# Altium PCB Controller_PCB.PcbDoc (part 3 of 3)
Units mm, origin at the board's own origin, x right, y up, seen from the top; angles counter-clockwise.
Board outline 200 x 105 mm, 2 copper layers (Top Layer, Bottom Layer), stack 1.57 mm thick; 199 components, 174 nets, 839 pads, 274 vias.
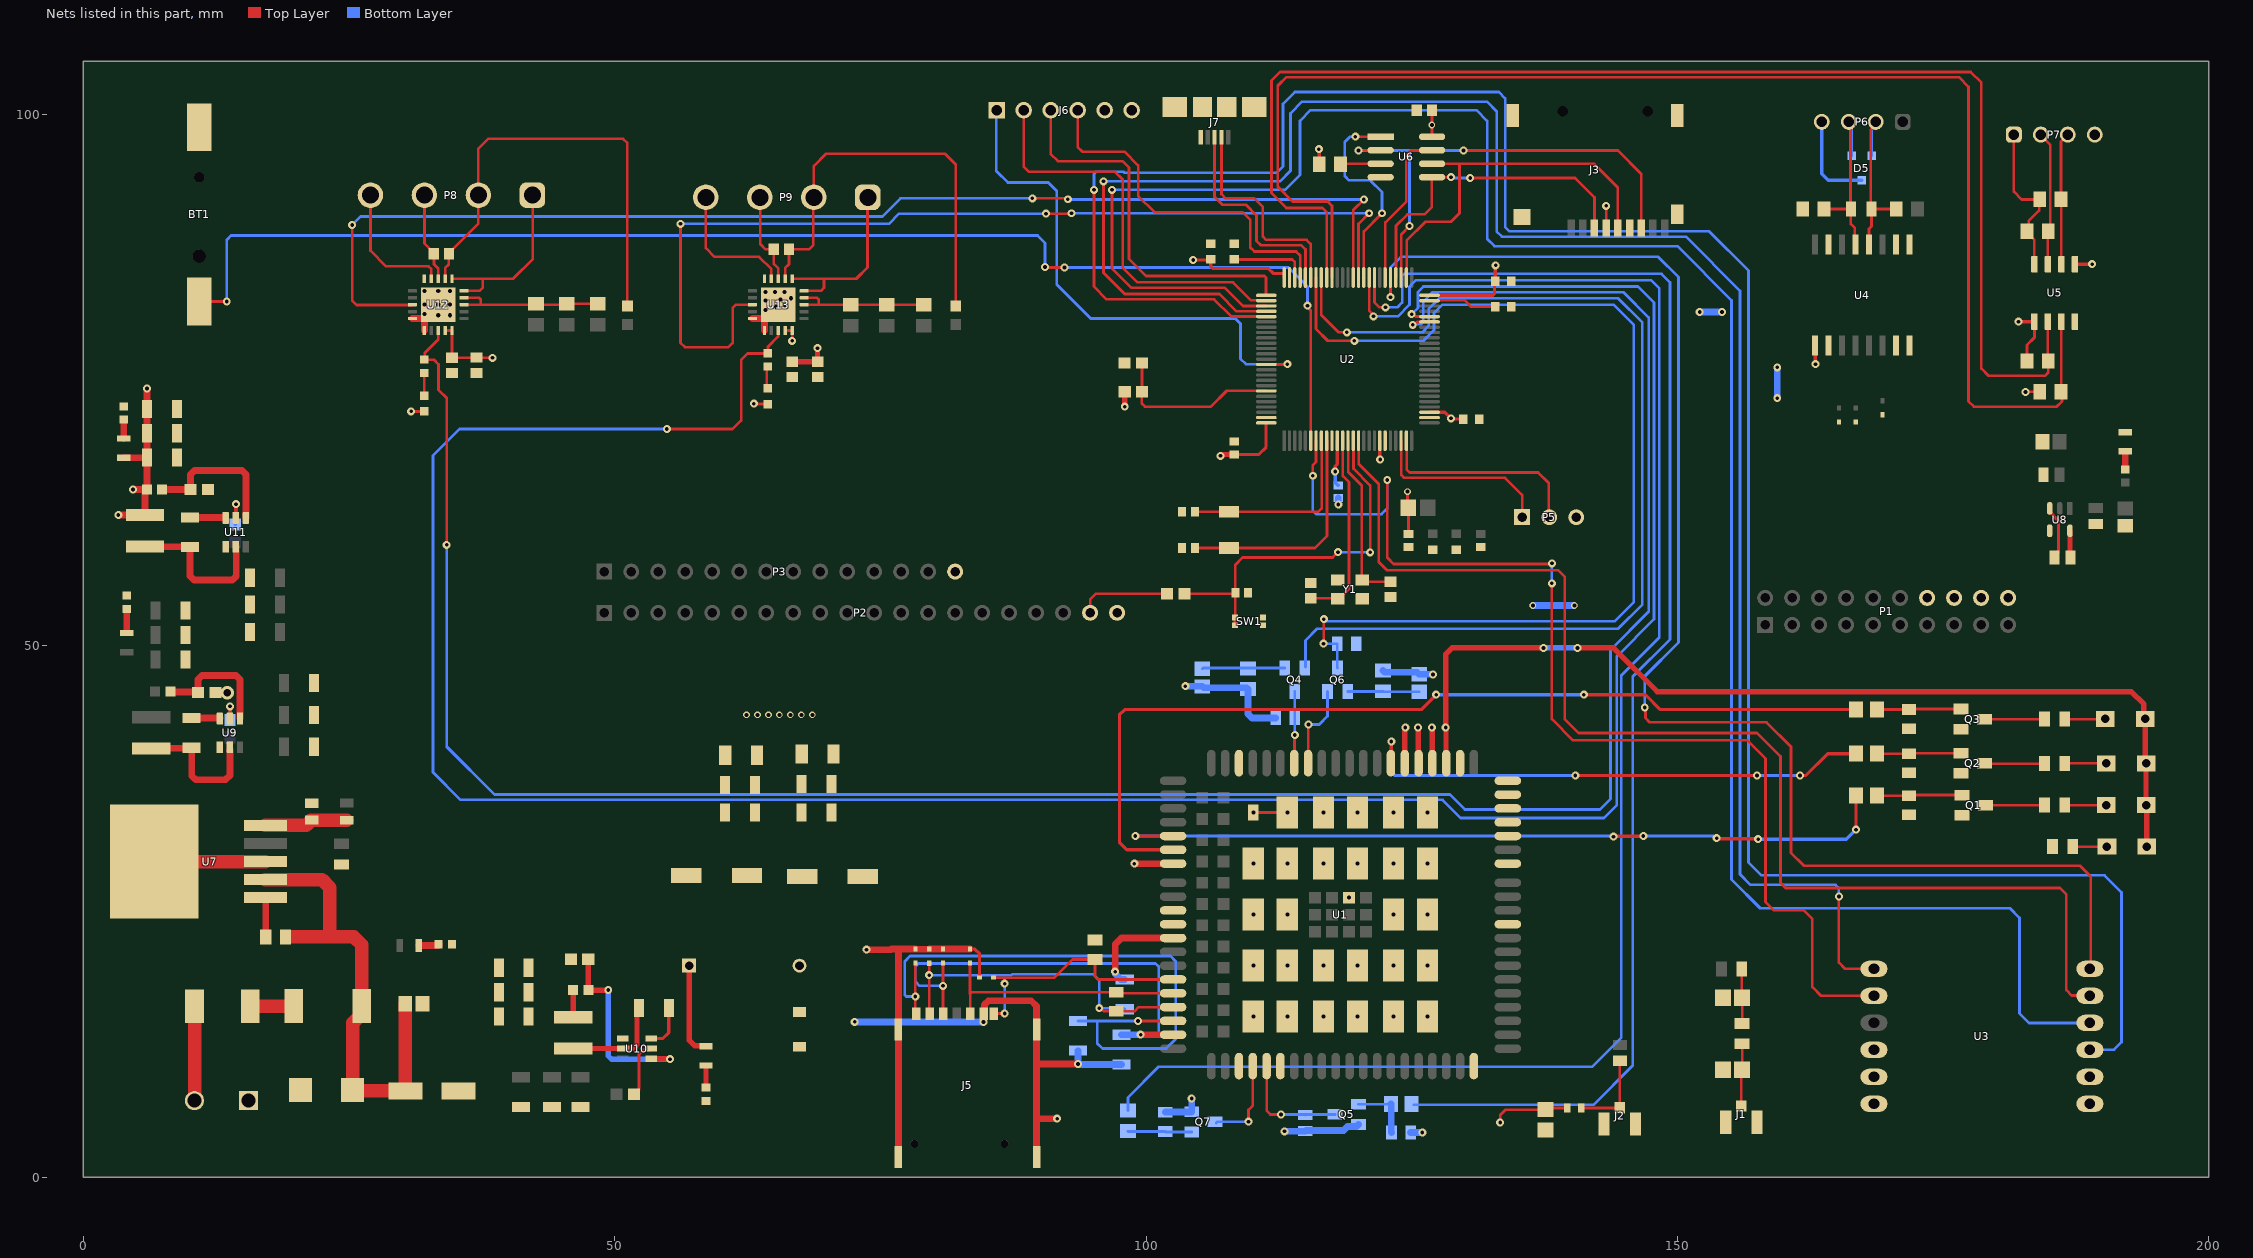
[diagram p3: the nets of this part, all layers, seen from the top]

## Via types
v1: diameter 0.75, hole 0.35, Top Layer to Bottom Layer, 205 vias
v2: diameter 0.635, hole 0.381, Top Layer to Bottom Layer, 59 vias
v3: diameter 1.5, hole 0.8, Top Layer to Bottom Layer, 8 vias
v4: diameter 1.27, hole 0.711, Top Layer to Bottom Layer, 2 vias

## Nets (pads, with @x,y where several pads share a name; then routed paths per layer and width w, separated by ;. In a path a pad name is that pad's centre, name@x,y a point inside that pad or via, vN(x,y) a via of type N, cw(c..) or ccw(c..) an arc to the next point about the centre after c; other vN are vias at no path point) (continued)
E_CS: U2.15 U3.5 | length 116
  Top Layer w0.254: U2.15@120.025,69.325 120.025,67.081 121.9,65.206 121.9,57.9 122.7,57.1 138.8,57.1 139.4,56.5 139.4,43.1 140.7,41.8 157.5,41.8 159.7,39.6 159.7,27.7 160.2,27.2 186,27.2 186.6,26.6 186.6,17.6 187.1,17.1 188.6,17.1 U3.5@188.7,17
E_INT: U2.55 U3.6 | length 138.5
  Top Layer w0.254: v1(123,82.8) U2.55@123,84.651 ; v1(146.931,44.2) 147,44.131 147,43.2 147.4,42.8 158.4,42.8 160.7,40.5 160.7,30.5 161.9,29.3 187.9,29.3 188.9,28.3 U3.6@188.9,19.5
  Bottom Layer w0.254: v1(123,82.8) 123,85.6 124,86.6 148.2,86.6 150.1,84.7 150.1,50.3 146.931,47.131 v1(146.931,44.2)
E_MISO: U2.79 U3.7 | length 180.9
  Top Layer w0.254: v1(96,93.7) 96,85.1 98,83.1 106.9,83.1 108.525,81.475 U2.79@111.325,81.475 ; v1(165.2,26.4) 165.2,20.2 165.8,19.6 U3.7@168.5,19.6
  Bottom Layer w0.254: v1(96,93.7) 112.6,93.7 113.6,94.7 113.6,100.1 114.7,101.2 132.1,101.2 133,100.3 133,89 133.5,88.5 150.8,88.5 155.9,83.4 155.9,28.5 156.9,27.5 164.9,27.5 165.2,27.2 v1(165.2,26.4)
E_MOSI: U2.80 U3.3 | length 219.7
  Top Layer w0.254: v1(95.1,92.9) 95.1,83.8 96.3,82.6 106.4,82.6 108.025,80.975 U2.80@111.325,80.975
  Bottom Layer w0.254: v1(95.1,92.9) 95.1,94.4 95.3,94.6 97.9,94.6 98,94.5 112.3,94.5 112.9,95.1 112.9,101 114,102.1 133.2,102.1 133.8,101.5 133.8,89.4 134.2,89 153,89 156.7,85.3 156.7,29.6 157.9,28.4 190.2,28.4 191.8,26.8 191.8,12.7 191.1,12 U3.3@188.8,12
E_RST: U2.7 U3.8 | length 107.3
  Top Layer w0.254: v1(115.7,66) 115.7,67 116,67.3 U2.7@116,69.3 ; v1(122.7,65.6) 122.7,58.3 123.3,57.7 138.146,57.7 v1(138.2,57.754) ; v1(138.187,55.875) 138.187,43.1 140.187,41.1 156.6,41.1 158.3,39.4 158.3,25.9 159.1,25.1 161.9,25.1 162.7,24.3 162.7,17.9 163.54,17.06 U3.8@168.5,17.06
  Bottom Layer w0.254: v1(115.7,66) 115.7,62.7 116.019,62.381 122.181,62.381 122.7,62.9 v1(122.7,65.6) ; v1(138.187,55.875) 138.187,57.741 v1(138.2,57.754)
E_SCLK: U2.78 U3.4 | length 200.8
  Top Layer w0.254: v1(96.8,92.9) 96.8,85.5 98.6,83.7 107.4,83.7 109.125,81.975 U2.78@111.325,81.975
  Bottom Layer w0.254: v1(96.8,92.9) 113.1,92.9 114.5,94.3 114.5,99.4 115.5,100.4 131.1,100.4 132.1,99.4 132.1,88.3 132.8,87.6 150,87.6 155.1,82.5 155.1,28 157.8,25.3 181.3,25.3 182.2,24.4 182.2,15.4 183.1,14.5 U3.4@188.8,14.5
"External_I/O Supply": P7.1 R21.2 R22.2 U5.8 | length 15
  Top Layer w0.254: P7.1@181.66,98.1 181.66,92.74 182.4,92 R22.2@184.1,92 184.043,91.943 184.043,90.943 183.057,89.957 183.057,89.157 R21.2@182.9,89 182.9,88.875 183.595,88.18 U5.8@183.595,85.9
F_CS: U2.60 U6.1 | length 19.7
  Top Layer w0.254: v1(119.7,97.9) 119.702,97.902 122.098,97.902 U6.1@122.1,97.9 ; U2.60@120.525,84.675 120.5,84.7 120.5,89 v1(122.2,90.7)
  Bottom Layer w0.254: v1(119.7,97.9) 119.2,97.9 118.7,97.4 118.7,94.2 119.1,93.8 121.1,93.8 122.2,92.7 v1(122.2,90.7)
F_MISO: J3.7 U2.53 U6.2 | length 47
  Top Layer w0.254: v1(120,96.6) 120.017,96.618 122.082,96.618 U6.2@122.1,96.6 ; U2.53@124.025,84.675 124.025,88.725 v1(124.8,89.5) ; v1(129.886,96.606) 144.394,96.606 146.6,94.4 J3.7@146.6,89.3
  Bottom Layer w0.254: v1(120,96.6) 124.8,96.6 ; v1(124.8,89.5) 124.8,96.6 ; v1@129.88,96.6 124.8,96.6
F_MOSI: J3.3 U2.54 U6.5 | length 30.7
  Top Layer w0.254: U2.54@123.525,84.675 123.525,89.525 124.6,90.6 126.2,90.6 126.9,91.3 126.9,94.1 126.902,94.098 128.697,94.098 v1(128.7,94.1) ; v1(130.506,94.017) 140.383,94.017 142.2,92.2 J3.3@142.2,89.3
  Bottom Layer w0.254: v1(128.7,94.1) 128.783,94.017 v1(130.506,94.017)
F_RESET: U2.56 U6.7 | length 14.8
  Top Layer w0.254: U2.56@122.525,84.675 122.525,89.825 124.5,91.8 124.5,96.2 124.9,96.6 U6.7@126.8,96.6
F_SCLK: J3.5 U2.52 U6.6 | length 36.2
  Top Layer w0.254: U2.52@124.525,84.675 124.525,88.125 126.3,89.9 128.7,89.9 129.5,90.7 129.5,95.3 129.435,95.365 ; U6.6@127.135,95.365 129.5,95.365 142.135,95.365 144.4,93.1 J3.5@144.4,89.3
FORCE+0: P8.1 U12.5 U12.6 | length 17
  Top Layer w0.254: U12.6@34.7,84.535 40.435,84.535 42.3,86.4 P8.1@42.3,92.3 ; U12.5@35.835,83.4 37.3,83.4 37.6,83.7 37.6,84.5
FORCE+1: P9.1 U13.5 U13.6 | length 16.9
  Top Layer w0.254: U13.6@66.7,84.535 72.735,84.535 73.8,85.6 P9.1@73.8,92.2 ; U13.5@67.835,83.4 69.4,83.4 69.7,83.7 69.7,84.5
FORCE-0: P8.4 U12.9 | length 12.4
  Top Layer w0.254: P8.4@27.1,92.2 27.02,92.12 27.02,87.18 28.5,85.7 32.5,85.7 32.75,85.45 U12.9@32.75,84.535
FORCE-1: P9.4 U13.9 | length 12.7
  Top Layer w0.254: P9.4@58.58,92.2 58.58,87.42 59.4,86.6 63.6,86.6 64.75,85.45 U13.9@64.75,84.535
GND: BT1.1 C1.1 C2.1 C3.1 C5.2 C6.2 C7.2 C8.2 C9.2 C10.2 C11.2 C12.2 C13.2 C14.2 C15.2 C16.2 C17.1 C18.2 C19.2 C20.2 C21.2 C23.2 C24.1 C25.2 C26.2 C27.2 C28.1 C29.1 C30.1 C32.2 C33.2 C34.2 C35.1 C36.1 C37.1 C39.2 C40.2 C41.2 C42.1 C43.1 C44.1 C46.1 C47.2 C48.1 C49.1 C50.2 C51.1 C52.2 C53.2 C54.2 C57.2 C58.2 C59.2 C60.2 C61.2 C63.2 C64.2 C66.2 C67.1 C68.1 C69.1 D5.3 D6.2 D7.2 D8.2 D11.2 D12.1 D15.2 D17.2 D18.2 D19.2 D20.2 D21.2 J1.2 J1.3 J2.2 J2.3 J3.6 J3.9 J3.10 J3.11 J3.12 J4.1 J5.1 J5.2 J5.3 J5.4 J5.C5 J6.6 J7.5 J7.6 J7.7 J7.8 J7.9 P2.20 P3.14 P5.3 P6.4 P7.4 Q1.2 Q2.2 Q3.2 Q5.2 Q7.2 R7.1 R8.1 R9.1 R12.1 R14.2 R18.1 R27.1 R28.1 R29.2 R34.2 R35.2 R36.2 R37.2 R40.2 R41.2 R45.1 R49.1 SW1.B SW1.B' U1.8 U1.9 U1.10 U1.19 U1.22 U1.36 U1.46 U1.48 U1.50 U1.51 U1.52 U1.53 U1.54 U1.56 U1.72 U1.76 U1.85 U1.86 U1.87 U1.88 U1.89 U1.90 U1.91 U1.92 U1.93 U1.94 U1.95 U1.96 U1.97 U1.98 U1.99 U1.100 U1.101 U1.102 U1.103 U1.104 U1.105 U1.106 U1.107 U1.108 U1.109 U1.110 U1.111 U1.112 U2.10 U2.20 U2.27 U2.74 U2.99 U3.1 U3.2 U3.12 U4.2 U4.7 U4.8 U4.9 U4.10 U4.15 U5.4 U6.4 U7.3 U7.6 U8.4 U9.1 U10.1 U11.1 U12.10 U12.15 U12.16 U12.21 U13.10 U13.15 U13.16 U13.21 Y1.2 Y1.4 | length 139.2
  Top Layer w0.305: D21.2@83.444,21.46 83.897,21.46 84.345,21.012 D17.2@84.345,18.776 ; v2(110.1,34.3) v2(113.3,34.3)
  Top Layer w0.635: R34.2@12.431,45.6 v4(13.544,45.6) ; U12.15@30.965,80.8 U12.21@32.1,80.8 ; U12.16@32.1,79.665 U12.21@32.1,80.8 ; v2(33.4,82.1) U12.21@32.1,80.8 ; U13.15@62.965,80.8 64.092,80.8 U13.21@64.1,80.808 ; U13.16@64.1,79.665 U13.21@64.1,80.808 ; v2(64.2,81.6) 64.2,81.254 64.1,81.154 U13.21@64.1,80.808 ; v1(73.7,21.4) 75.986,21.4 76.046,21.46 76.8,21.46 ; J5.3@76.7,1.89 J5.1@76.7,13.89 76.7,21.36 76.8,21.46 ; D21.2@83.444,21.46 D20.2@80.9,21.46 79.613,21.46 D18.2@79.603,21.45 78.31,21.45 D19.2@78.3,21.46 76.8,21.46 ; v1(84.7,14.6) 84.71,14.61 84.71,15.36 84.8,15.45 84.8,16.226 85.174,16.6 89.2,16.6 89.7,16.1 J5.2@89.7,13.89 89.7,10.7 ; J5.4@89.7,1.89 89.7,5.5 ; v1(91.637,5.503) 91.634,5.5 89.7,5.5 ; v1(93.603,10.643) 89.757,10.643 89.7,10.7 ; v1(97.102,19.329) 97.102,21.902 97.7,22.5 U1.10@102.55,22.5 ; 89.7,5.5 89.7,10.7
  Top Layer w1.27: U7.6@6.7,29.7 U7.3@17.137,29.7
  Bottom Layer w0.305: P6.4@163.4,99.2 163.59,99.01 163.59,94.41 164.19,93.81 D5.3@167.35,93.81
  Bottom Layer w0.635: v1(72.588,14.615) 72.603,14.6 v1(84.7,14.6) ; C58.2@93.6,11.9 93.601,11.899 v1(93.603,10.643) v1(93.603,10.643) 93.646,10.6 C59.2@97.7,10.6 ; v1(97.102,19.329) 97.124,19.307 97.124,19.101 97.625,18.6 C57.2@98,18.6 ; R49.1@101.8,6.1 101.825,6.125 104.275,6.125 Q7.2@104.3,6.15 v1(104.3,7.4) ; v1(113.043,4.313) 114.963,4.313 C54.2@115,4.35 115.05,4.4 118.6,4.4 118.968,4.768 119.817,4.768 Q5.2@120,4.95 ; v1(118.1,63.3) C9.2@118.1,63.9 ; R45.1@124.9,4.2 v1(126,4.2) ; v2(136.4,53.8) v2(140.3,53.8) ; v1(152.1,81.4) v1(154.2,81.4) ; v1(159.4,73.3) v1(159.4,76.2)
  other v2: 110.1,15.1 113.3,15.1 116.7,15.1 119.9,15.1 123.3,15.1 126.5,15.1 110.1,19.9 113.3,19.9 116.7,19.9 119.9,19.9 123.3,19.9 126.5,19.9 110.1,24.7 113.3,24.7 123.3,24.7 126.5,24.7 119.1,26.3 110.1,29.5 113.3,29.5 116.7,29.5 119.9,29.5 123.3,29.5 126.5,29.5 116.7,34.3 119.9,34.3 123.3,34.3 126.5,34.3 33.4,81.1 34.5,81.1 32.1,81.2 65.2,81.9 66.088,81.956 32.1,82.1 34.5,82.1 64.2,82.5 65.6,82.6 66.6,82.7 64.2,83.3 65.1,83.3 66,83.3 32.1,83.4 33.4,83.4 34.5,83.4
GSM_IN: C35.2 C36.2 C37.2 D14.1 F2.1 L3.2 R33.2 | length 11.4
  Top Layer w0.508: L3.2@46.1,15.05 R33.2@46.1,17.6 ; F2.1@57.005,19.9 57.005,12.895 57.554,12.346 58.554,12.346 D14.1@58.6,12.3
GSM_PWR: R43.2 U2.58 | length 130.7
  Top Layer w0.254: U2.58@121.5,84.651 121.5,82.3 121.958,81.842 v1(122.542,81.842)
  Bottom Layer w0.254: v1(122.542,81.842) 123.642,81.842 124.1,82.3 124.1,84.8 124.3,85 148.5,85 149.3,84.2 149.3,50.6 145.8,47.1 145.8,10.5 142.1,6.8 R43.2@125.2,6.8
GSM_RST: R48.2 U2.59 | length 155.4
  Top Layer w0.254: U2.59@121,84.651 121,81.534 121.4,81.134 v1(121.4,81)
  Bottom Layer w0.254: R48.2@98.3,6.276 98.3,7.5 101.2,10.4 142,10.4 144.729,13.129 144.729,47.229 148.3,50.8 148.3,83.6 147.5,84.4 125.4,84.4 124.8,83.8 124.8,82.1 123.7,81 v1(121.4,81)
GSM_RX: Q6.3 R46.1 U2.69 | length 100.4
  Top Layer w0.254: U2.69@116,84.651 116,79.8 117.1,78.7 v1(119.6,78.7) ; v1(116.7,50.2) 116.714,50.214 116.714,52.493 v1(116.727,52.506)
  Bottom Layer w0.254: v1(116.7,50.2) R46.1@118,50.2 118,47.925 Q6.3@118.025,47.9 ; v1(116.727,52.506) 116.934,52.3 144.1,52.3 145.9,54.1 145.9,80.2 144,82.1 127.9,82.1 127.1,81.3 127.1,79.7 126.1,78.7 v1(119.6,78.7)
GSM_TX: Q4.2 U2.68 | length 99.7
  Top Layer w0.254: U2.68@116.5,84.651 116.5,81.1 118.1,79.5 v1(118.9,79.5)
  Bottom Layer w0.254: Q4.2@115,48 115,50.5 116.1,51.6 144.4,51.6 146.7,53.9 146.7,80.4 144.4,82.7 127.6,82.7 126.6,81.7 126.6,80.1 126,79.5 v1(118.9,79.5)
IO_BOARD_SCL: R20.1 U2.67 U5.2 | length 128.7
  Top Layer w0.254: U2.67@117,84.651 117,90.8 116.6,91.2 113.2,91.2 111.8,92.6 111.8,103.2 112.6,104 177.6,104 178.6,103 178.6,76.1 179.3,75.4 184.6,75.4 184.9,75.7 R20.1@184.9,76.8 184.865,76.835 U5.2@184.865,80.5
IO_BOARD_SDA: R19.1 U2.66 U5.3 | length 134.1
  Top Layer w0.254: U2.66@117.5,84.651 117.5,91.4 117.1,91.8 113.8,91.8 112.4,93.2 112.4,102.7 113.2,103.5 176.5,103.5 177.4,102.6 177.4,73 177.9,72.5 185.7,72.5 186.2,73 186.2,73.6 186.135,73.665 U5.3@186.135,80.5
JTDI: J6.2 U2.77 | length 38.2
  Top Layer w0.254: J6.2@88.49,100.4 88.49,95.11 89,94.6 97.1,94.6 97.8,93.9 97.8,85.6 99.2,84.2 108.2,84.2 109.9,82.5 U2.77@111.349,82.5
JTDO: J6.1 U2.89 | length 49.6
  Top Layer w0.254: U2.89@111.349,76.5 v1(113.3,76.5)
  Bottom Layer w0.254: J6.1@85.9,100.3 85.9,94.7 87,93.6 90.8,93.6 91.6,92.8 91.6,84 94.8,80.8 108.4,80.8 108.9,80.3 108.9,77 109.4,76.5 v1(113.3,76.5)
MAIN_RXD: Q4.3 R42.1 U1.68 | length 6.8
  Top Layer w0.254: U1.68@114,38.9 113.975,38.925 113.975,41.575 v1(114,41.6)
  Bottom Layer w0.254: v1(114,41.6) R42.1@114,43.2 Q4.3@114,45.7
MAIN_TXD: Q6.2 U1.67 | length 8.4
  Top Layer w0.254: U1.67@115.3,38.6 115.275,38.625 115.275,42.575 v1(115.3,42.6)
  Bottom Layer w0.254: v1(115.3,42.6) 116.3,42.6 117.075,43.375 Q6.2@117.075,45.7
NET_MODE: R5.2 U1.5 | length 75.1
  Top Layer w0.305: v1(99,32.1) U1.5@102.55,32.1 ; v1(143.999,32.038) 144.03,32.069 146.769,32.069 v1(146.8,32.1) ; v1(153.7,31.9) 153.75,31.85 157.55,31.85 v1(157.6,31.8) ; v1(166.8,32.7) 166.8,35.876 R5.2@166.824,35.9
  Bottom Layer w0.305: v1(99,32.1) 143.936,32.1 v1(143.999,32.038) ; v1(146.8,32.1) 153.38,32.1 153.58,31.9 v1(153.7,31.9) ; v1(157.6,31.8) 165.9,31.8 v1(166.8,32.7)
NET_STATUS: R11.2 U1.6 | length 88
  Top Layer w0.305: U1.6@102.55,30.8 98.2,30.8 97.5,31.5 97.5,43.5 98,44 125.9,44 v1(127.3,45.4) ; v1(141.2,45.4) 147,45.4 148.404,43.996 R11.2@166.824,43.996
  Bottom Layer w0.305: v1(127.3,45.4) v1(141.2,45.4)
NetC1_2: C1.2 J1.1 R1.1 | length 5.9
  Top Layer w0.254: J1.1@156.024,6.7 156.024,10.024 C1.2@156.1,10.1 R1.1@156.1,12.549
NetC2_2: C2.2 R1.2 R2.1 | length 5.2
  Top Layer w0.254: R2.1@156.051,19.6 156.051,16.949 C2.2@156.1,16.9 R1.2@156.1,14.451
NetC4_2: C4.2 J2.1 L1.1 | length 8.1
  Top Layer w0.254: L1.1@140.962,6.5 144.55,6.5 J2.1@144.575,6.525 144.575,10.925 C4.2@144.6,10.95
NetC14_1: C14.1 U2.49 | length 6.4
  Top Layer w0.254: U2.49@126.7,82.5 130,82.5 130.6,81.9 C14.1@132.85,81.9 C14.1@132.9,81.9
NetC15_1: C15.1 U2.73 | length 7.4
  Top Layer w0.254: C15.1@108.3,86.35 113.75,86.35 114,86.1 U2.73@114,84.651 U2.73@114,84.5
NetC22_1: C22.1 U8.5 | length 2.4
  Top Layer w0.508: U8.5@186.938,60.829 186.942,60.825 186.942,58.414 C22.1@186.956,58.4
NetC22_2: C22.2 U8.3 | length 5.1
  Top Layer w0.305: U8.3@185.038,62.93 185.038,62.594 185.856,61.775 185.856,59.001 185.829,58.974 185.829,58.673 C22.2@185.456,58.3
NetC23_1: C23.1 C24.2 D9.1 D11.1 R25.2 U7.2 | length 45.9
  Top Layer w1.27: U7.2@17.137,27.998 22.456,27.998 23.2,27.254 23.2,22.7 ; R25.2@19.135,22.6 25.461,22.6 26.205,21.856 D9.1@26.205,16.1 26.205,15.36 25.35,14.505 D11.1@25.35,8.2 25.4,8.15 C24.2@30.297,8.15 ; C23.1@30.294,16.3 30.297,16.297 C24.2@30.297,8.15 ; C24.2@30.4,8 C24.2@30.3,8.1 30.297,8.103 C24.2@30.297,8.15 ; C24.2@30.6,8.2 30.55,8.15 C24.2@30.297,8.15
NetC31_1: C31.1 U9.6 | length 2.7
  Top Layer w0.635: C31.1@10.2,43.2 U9.6@12.9,43.2
NetC31_2: C31.2 L2.1 U9.2 | length 12.8
  Top Layer w0.635: L2.1@6.4,40.325 6.438,40.363 10.137,40.363 C31.2@10.2,40.3 ; C31.2@10.2,40.4 C31.2@10.2,40.3 ; U9.2@13.8,40.218 13.8,37.8 13.4,37.4 10.572,37.4 10.2,37.772 C31.2@10.2,40.3
NetC38_1: C38.1 U10.6 | length 4.2
  Top Layer w0.305: U10.6@53.45,13.05 54.55,13.05 55.1,13.6 C38.1@55.1,15.9
NetC38_2: C38.2 L3.1 U10.2 | length 9.6
  Top Layer w0.508: L3.1@46.1,12.1 U10.2@50.75,12.1 50.796,12.146 51.746,12.146 52.1,12.5 52.1,15.8 C38.2@52.2,15.9
NetC45_1: C45.1 U11.6 | length 3.3
  Top Layer w0.635: C45.1@10.05,62.081 U11.6@13.383,62.081
NetC45_2: C45.2 L4.1 U11.2 | length 14.7
  Top Layer w0.635: L4.1@5.8,59.35 5.834,59.316 10.184,59.316 C45.2@10.3,59.2 ; C45.2@10.05,59.281 10.05,56.572 10.422,56.2 14.028,56.2 14.4,56.572 U11.2@14.4,59.3
NetC55_2: C55.2 Q4.1 R44.1 | length 7.8
  Bottom Layer w0.254: C55.2@105.3,47.825 105.375,47.9 Q4.1@113.05,47.9
NetC56_2: C56.2 Q6.1 R47.1 | length 6.8
  Bottom Layer w0.254: Q6.1@118.975,45.7 122.276,45.7 R47.1@122.3,45.724 122.349,45.675 C56.2@125.7,45.675
NetC66_1: C66.1 U2.12 Y1.3 | length 18.1
  Top Layer w0.254: C66.1@115.5,54.475 118.025,54.475 Y1.3@118.075,54.425 ; Y1.3@118.1,54.4 Y1.3@118.075,54.425 ; U2.12@118.525,69.175 118.525,65.975 119.1,65.4 119.1,55.35 118.175,54.425 Y1.3@118.075,54.425
NetC67_2: C67.2 U2.13 Y1.1 | length 16.3
  Top Layer w0.254: U2.13@119.025,69.325 119.025,66.375 120.3,65.1 Y1.1@120.3,56.2 ; Y1.1@120.4,56.2 120.575,56.025 C67.2@123,56.025
NetD1_2: D1.2 R3.2 | length 3.9
  Top Layer w0.254: R3.2@186.451,35 D1.2@190.363,35
  other v3: 190.363,34.999
NetD2_2: D2.2 R4.2 | length 3.9
  Top Layer w0.254: R4.2@186.451,38.908 186.485,38.942 v3(190.363,38.942)
NetD3_2: D3.2 R9.2 | length 3.2
  Top Layer w0.254: R9.2@187.202,31.1 v3(190.425,31.1)
NetD4_2: D4.2 R10.2 | length 3.8
  Top Layer w0.254: R10.2@186.451,43.1 190.237,43.1 v3(190.263,43.126)
NetD5_1: D5.1 P6.3 R17.1 R18.2 U4.13 | length 17.7
  Top Layer w0.254: R18.2@163.8,91.1 R17.1@166.3,91.1 ; P6.3@166.13,99.3 166.3,99.13 R17.1@166.3,91.1 ; U4.13@166.8,87.7 166.7,87.8 166.7,89.3 166.325,89.675 R17.1@166.325,91.1 R17.1@166.3,91.1
  Bottom Layer w0.254: P6.3@166.13,99.3 166.13,98.963 166.4,98.693 D5.1@166.4,96.1
NetD5_2: D5.2 P6.2 R16.1 R17.2 U4.12 | length 17.3
  Top Layer w0.254: U4.12@168.035,87.75 168.035,89.235 168.275,89.475 R17.2@168.275,91.1 R16.1@170.6,91.1 ; R17.2@168.2,91.2 168.2,98.528 168.67,98.998 P6.2@168.67,99.3
  Bottom Layer w0.254: D5.2@168.3,96.1 168.3,98.593 168.7,98.993 P6.2@168.7,99.2
NetD9_2: D9.2 F1.2 | length 4
  Top Layer w1.27: F1.2@15.715,16.1 19.6,16.1 D9.2@19.7,16
NetD10_2: D10.2 R29.1 | length 2
  Top Layer w0.635: D10.2@31.573,21.8 33.373,21.8 33.473,21.9 R29.1@33.5,21.9
NetD12_2: D12.2 R24.1 | length 1.7
  Top Layer w0.635: R24.1@192.156,66.6 D12.2@192.156,68.3
NetD13_2: D13.2 R35.1 | length 2.3
  Top Layer w0.635: D13.2@4.1,51.217 R35.1@4.1,53.473
NetD14_2: D14.2 R37.1 | length 2.1
  Top Layer w0.508: R37.1@58.6,8.427 D14.2@58.6,10.5
NetD16_2: D16.2 R41.1 | length 1.7
  Top Layer w0.635: D16.2@3.8,69.5 R41.1@3.8,71.2
NetD22_1: D22.1 R53.2 | length 2.3
  Top Layer w0.254: R53.2@32.097,75.669 32.097,73.403 D22.1@32.1,73.4
NetD23_1: D23.1 R58.2 | length 2.1
  Top Layer w0.254: D23.1@64.3,74.2 64.3,76.173 R58.2@64.4,76.273
NetF1_1: F1.1 J4.2 | length 9.1
  Top Layer w1.27: J4.2@10.46,7.2 10.472,7.212 10.472,16.272 F1.1@10.5,16.3
NetQ1_1: Q1.1 R5.1 R7.2 | length 8
  Top Layer w0.254: R5.1@168.776,35.9 R7.2@171.8,35.9 171.85,35.95 Q1.1@176.8,35.95
NetQ1_3: Q1.3 R3.1 | length 5.5
  Top Layer w0.254: Q1.3@179,35 R3.1@184.549,35
NetQ2_1: Q2.1 R6.1 R8.2 | length 8
  Top Layer w0.254: R6.1@168.776,39.846 168.781,39.842 R8.2@171.8,39.842 171.858,39.9 Q2.1@176.7,39.9
NetQ2_3: Q2.3 R4.1 | length 5.7
  Top Layer w0.254: Q2.3@178.9,38.95 178.942,38.908 R4.1@184.549,38.908
NetQ3_1: Q3.1 R11.1 R12.2 | length 8
  Top Layer w0.254: R11.1@168.776,43.996 171.896,43.996 R12.2@171.9,44 ; R12.2@171.8,44 171.85,44.05 Q3.1@176.7,44.05
NetQ3_3: Q3.3 R10.1 | length 5.6
  Top Layer w0.254: Q3.3@178.9,43.1 R10.1@184.549,43.1
NetQ5_1: Q5.1 R43.1 R45.2 | length 5.8
  Bottom Layer w0.254: Q5.1@120,6.85 122.998,6.85 R43.1@123.048,6.9
  Bottom Layer w0.635: R43.1@123.048,6.9 123.074,6.874 123.074,4.226 R45.2@123.1,4.2
NetQ7_1: Q7.1 R48.1 R49.2 | length 6
  Bottom Layer w0.254: R48.1@98.3,4.324 98.324,4.3 R49.2@101.8,4.3 101.85,4.25 Q7.1@104.3,4.25
NetR13_2: R13.2 R14.1 U2.94 | length 16.1
  Top Layer w0.254: R13.2@99.6,73.7 99.6,72.8 99.9,72.5 106.1,72.5 107.6,74 U2.94@111.349,74 ; R13.2@99.6,73.9 99.615,73.915 R14.1@99.615,76.6
NetR23_1: R23.1 U6.3 | length 3.9
  Top Layer w0.254: R23.1@118.3,95.3 118.365,95.365 122.035,95.365 U6.3@122.1,95.3
NetR25_1: R25.1 U7.1 | length 3.8
  Top Layer w0.635: U7.1@17.137,26.296 17.175,26.259 R25.1@17.175,22.6 17.175,22.525 R25.1@17.2,22.5
NetR26_1: R26.1 R28.2 U7.5 | length 8
  Top Layer w1.27: U7.5@17.137,33.104 21.004,33.104 R28.2@21.498,33.598 ; R28.2@21.4,33.6 21.402,33.598 R28.2@21.498,33.598 ; R26.1@24.8,33.598 R28.2@21.498,33.598
NetR30_1: R30.1 U9.5 | length 2.4
  Top Layer w0.305: U9.5@13.8,43.15 v1(13.8,44.3)
  Bottom Layer w0.305: R30.1@13.8,43.015 v1(13.8,44.3)
NetR31_1: R31.1 R34.1 U9.4 | length 11.7
  Top Layer w0.635: R31.1@8.2,45.7 8.25,45.65 10.75,45.65 R34.1@10.8,45.6 ; R34.1@10.9,45.8 10.814,45.8 10.8,45.814 10.8,46.828 11.172,47.2 14.378,47.2 14.75,46.828 U9.4@14.75,43.15
NetR32_1: R32.1 U10.5 | length 5.4
  Top Layer w0.305: R32.1@51.815,7.8 51.852,7.8 52.231,8.179 52.231,8.215 52.3,8.285 52.3,11.6 52.652,11.952 53.302,11.952 U10.5@53.45,12.1
NetR33_1: R33.1 R36.1 U10.4 | length 18.5
  Top Layer w0.508: R33.1@47.5,17.8 47.523,17.823 47.523,20.492 R36.1@47.515,20.5 ; R33.1@47.531,17.6 v1(49.4,17.6) ; U10.4@53.45,11.15 55.085,11.15 55.135,11.1 v1(55.2,11.1)
  Bottom Layer w0.508: v1(49.4,17.6) 49.4,11.4 49.7,11.1 v1(55.2,11.1)
NetR38_1: R38.1 U11.5 | length 3.2
  Top Layer w0.305: U11.5@14.35,62.031 14.35,63.31 v1(14.364,63.324)
  Bottom Layer w0.305: R38.1@14.31,61.407 14.364,61.461 v1(14.364,63.324)
NetR39_1: R39.1 R40.1 U11.4 | length 13.7
  Top Layer w0.635: R39.1@7.415,64.7 R40.1@10.085,64.7 10.1,64.7 10.1,66.128 10.472,66.5 14.928,66.5 15.3,66.128 U11.4@15.3,62.031
NetR54_1: R54.1 R55.1 R56.1 U12.3 U12.4 | length 14.8
  Top Layer w0.254: U12.3@35.835,82.1 37.4,82.1 ; U12.4@35.835,82.75 37.25,82.75 37.4,82.6 37.4,82.1 ; R54.1@42.6,82.1 37.4,82.1 ; R54.1@42.6,82.177 42.677,82.1 R55.1@45.6,82.1 ; R55.1@45.5,82.177 48.377,82.177 R56.1@48.4,82.2
NetR59_1: R59.1 R60.1 R61.1 U13.3 U13.4 | length 13.2
  Top Layer w0.254: U13.3@67.835,82.1 69.2,82.1 ; U13.4@67.835,82.75 69.05,82.75 69.2,82.6 69.2,82.1 ; R61.1@79.1,82.077 R60.1@75.6,82.077 72.223,82.077 72.2,82.1 69.2,82.1
OSC_32_IN: C69.2 U2.8 Y2.1 | length 18.3
  Top Layer w0.254: C69.2@104.473,62.6 Y2.1@107.473,62.6 ; Y2.1@107.746,62.6 116.2,62.6 116.525,62.925 116.525,69.275 U2.8@116.5,69.3
OSC_32_OUT: C68.2 U2.9 Y2.2 | length 21.5
  Top Layer w0.254: C68.2@104.425,59.2 106.977,59.2 Y2.2@107.05,59.273 ; Y2.2@107.694,59.2 115.9,59.2 117.025,60.325 U2.9@117.025,69.325
POWER_KEY: C54.1 Q5.3 U1.21 | length 10.8
  Top Layer w0.254: U1.21@111.35,10.45 111.35,6.25 111.7,5.9 v1@112.6,5.9 ; v1@112.615,5.915 112.631,5.9 v1(112.7,5.9)
  Bottom Layer w0.254: v1(112.7,5.9) C54.1@115,5.9 ; C54.1@115,5.85 115.05,5.9 Q5.3@117.8,5.9
RESET: C16.1 R15.1 SW1.A SW1.A' U2.14 | length 34.4
  Top Layer w0.254: R15.1@103.615,54.9 108.3,54.9 C16.1@108.387,54.987 ; SW1.A'@108.375,51.925 108.375,52.575 SW1.A@108.4,52.6 ; SW1.A@108.375,52.675 108.387,52.687 C16.1@108.387,54.987 ; v1(118.071,58.806) 117.564,58.3 109.1,58.3 108.4,57.6 C16.1@108.4,55 C16.1@108.387,54.987 ; U2.14@119.534,68.966 119.534,66.666 121.098,65.102 v1(121.098,58.798)
  Bottom Layer w0.254: v1(118.071,58.806) 121.09,58.806 v1(121.098,58.798)
RESET_KEY: Q7.3 U1.20 | length 8.5
  Top Layer w0.254: v1(109.637,5.222) 109.637,6.337 110.05,6.75 U1.20@110.05,10.45
  Bottom Layer w0.254: Q7.3@106.6,5.1 106.722,5.222 v1(109.637,5.222)
RTCIN-0: C62.2 P8.3 U12.8 | length 8.3
  Top Layer w0.254: P8.3@32.1,92.4 32.1,87.85 32.9,87.05 C62.2@32.9,87 ; C62.2@33,86.9 33,85.9 33.4,85.5 U12.8@33.4,84.535
RTCIN-1: C65.2 P9.3 U13.8 | length 8.7
  Top Layer w0.254: P9.3@63.7,92.1 63.7,87.8 64.2,87.3 C65.2@64.975,87.3 64.975,85.925 65.4,85.5 U13.8@65.4,84.6
RTDIN+0: C62.1 P8.2 R52.2 U12.7 | length 43.3
  Top Layer w0.254: U12.7@34.05,84.535 34.05,85.55 34.4,85.9 C62.1@34.4,86.9 ; C62.1@34.425,86.9 34.425,86.975 37.18,89.73 37.18,92.12 P8.2@37.1,92.2 ; P8.2@37.2,92.4 37.18,92.42 37.18,96.78 38.1,97.7 50.8,97.7 51.2,97.3 R52.2@51.2,81.977
RTDIN+1: C65.1 P9.2 R57.2 U13.7 | length 40.5
  Top Layer w0.254: U13.7@66.05,84.535 66.05,85.55 66.4,85.9 66.4,87.2 C65.1@66.5,87.3 ; C65.1@66.425,87.3 C65.1@66.5,87.3 ; P9.2@68.7,92.1 68.7,87.7 68.3,87.3 C65.1@66.5,87.3 ; P9.2@68.8,92 68.74,92.06 P9.2@68.74,92.2 68.74,95.14 69.9,96.3 81.1,96.3 82.1,95.3 R57.2@82.1,81.977
RX: P5.2 U2.24 | length 19.9
  Top Layer w0.254: U2.24@124.525,69.325 124.525,66.575 124.8,66.3 136.9,66.3 137.9,65.3 P5.2@137.9,62.1
SCL: P7.2 R21.1 U5.7 | length 12.7
  Top Layer w0.254: P7.2@184.2,98.1 184.2,98.009 185.1,97.109 185.1,89.2 R21.1@184.9,89 184.865,88.965 U5.7@184.865,85.9
SDA: P7.3 R22.1 U5.6 | length 12.5
  Top Layer w0.254: U5.6@186.135,85.9 186.135,91.965 R22.1@186.1,92 186.1,97.46 P7.3@186.74,98.1
STATUS: R6.2 U1.61 | length 49.7
  Top Layer w0.305: U1.61@123.05,38.95 123.07,38.969 123.07,40.978 v1(123.089,40.998) ; v1(140.397,37.803) 140.4,37.8 v1(157.5,37.8) ; v1(161.531,37.803) 162.103,37.803 164.146,39.846 R6.2@166.824,39.846
  Bottom Layer w0.305: v1(123.089,40.998) 123.089,39.583 123,39.494 123,38.2 123.397,37.803 v1(140.397,37.803) ; v1(157.5,37.8) 157.502,37.802 161.53,37.802 v1(161.531,37.803)
SWCLK: J6.3 U2.76 | length 35.9
  Top Layer w0.254: J6.3@91.03,100.4 91.03,96.27 91.7,95.6 97.8,95.6 98.4,95 98.4,86.4 100,84.8 111.151,84.8 111.3,84.651 U2.76@111.3,83.1 ; U2.76@111.3,83 U2.76@111.349,83
SWDIO: J6.4 U2.72 | length 33.9
  Top Layer w0.254: J6.4@93.57,100.4 93.57,96.93 94,96.5 97.96,96.5 99.26,95.2 99.26,92.34 100.8,90.8 109.1,90.8 109.8,90.1 109.8,87.5 110.2,87.1 114.125,87.1 114.525,86.7 U2.72@114.525,84.675
TEMP0_CS: U2.62 U12.13 | length 117
  Top Layer w0.254: v1(25.3,89.6) 25.3,82.5 25.729,82.071 30.936,82.071 U12.13@30.965,82.1 ; v1(89.3,92.1) 92.56,92.1 v1(92.643,92.017) ; U2.62@119.5,84.651 119.5,91 v1(120.5,92)
  Bottom Layer w0.254: v1(25.3,89.6) 26.1,90.4 75.2,90.4 76.9,92.1 v1(89.3,92.1) ; v1(92.643,92.017) 92.66,92 v1(120.5,92)
TEMP0_DRDY: R53.1 U2.45 U12.18 | length 227.5
  Top Layer w0.254: R53.1@32.097,76.923 R53.1@32.124,76.923 ; U12.18@33.4,79.665 33.4,78.8 32.134,77.534 32.134,76.933 R53.1@32.124,76.923 ; v1(34.2,59.5) 34.2,73.3 33.425,74.075 33.425,76.477 32.979,76.923 R53.1@32.124,76.923 ; v1(125.1,80.2) 125.234,80.2 125.499,80.464 126.664,80.464 U2.45@126.675,80.475
  Bottom Layer w0.254: v1(34.2,59.5) 34.2,40.5 38.7,36 128.6,36 130,34.6 142.7,34.6 143.7,35.6 143.7,49.6 147.3,53.2 147.3,80.9 144.936,83.264 126.964,83.264 126.1,82.4 126.1,80.5 125.856,80.256 125.156,80.256 v1(125.1,80.2)
TEMP1: P1.14
TEMP1_CS: U2.61 U13.13 | length 93.3
  Top Layer w0.254: v1(56.2,89.7) 56.2,78.5 56.6,78.1 60.7,78.1 61.1,78.5 61.1,81.8 61.4,82.1 U13.13@62.9,82.1 ; v1(90.6,90.659) 92.959,90.659 v1(93,90.7) ; U2.61@120,84.651 120,89.7 v1(121,90.7)
  Bottom Layer w0.254: v1(56.2,89.7) 75.8,89.7 76.759,90.659 v1(90.6,90.659) ; v1(93,90.7) v1(121,90.7)
TEMP1_DRDY: R58.1 U2.46 U13.18 | length 260.8
  Top Layer w0.254: v1(54.906,70.397) 61.097,70.397 61.9,71.2 61.9,76.9 62.5,77.5 64.373,77.5 R58.1@64.4,77.527 64.438,77.565 64.438,78.138 65.389,79.089 65.389,79.654 U13.18@65.4,79.665 ; v1(125,81.2) 125.134,81.2 125.359,80.975 U2.46@126.675,80.975
  Bottom Layer w0.254: v1(54.906,70.397) 35.397,70.397 32.9,67.9 32.9,38.1 35.5,35.5 127.9,35.5 129.6,33.8 143.1,33.8 144.3,35 144.3,49 147.8,52.5 147.8,82.3 146.3,83.8 126.1,83.8 125.587,83.287 125.587,81.787 v1(125,81.2)
TEMP1_FAULT: P1.16
TEMP2: P1.18
TEMP2_FAULT: P1.20
TX: P5.1 U2.23 | length 17.6
  Top Layer w0.254: U2.23@124.025,69.325 124.025,66.075 124.3,65.8 133.8,65.8 135.4,64.2 P5.1@135.4,62
USB_DM: J7.2 U2.70 | length 20.3
  Top Layer w0.254: J7.2@107.1,97.7 107.1,92.5 107.5,92.1 110.2,92.1 111,91.3 111,88.5 111.3,88.2 115.1,88.2 115.5,87.8 U2.70@115.5,84.651
USB_DP: J7.3 U2.71 | length 20.2
  Top Layer w0.254: J7.3@106.45,97.75 106.45,92.25 107.2,91.5 109.4,91.5 110.4,90.5 110.4,88.1 110.8,87.7 114.6,87.7 115,87.3 U2.71@115,84.651
USIM_CLK: C58.1 D19.1 J5.C3 U1.16 | length 61.3
  Top Layer w0.254: D19.1@78.3,20.14 v1(78.3,17) 78.3,15.44 J5.C3@78.37,15.37 ; v1(99.249,14.696) 99.251,14.698 102.548,14.698 U1.16@102.55,14.7
  Bottom Layer w0.254: v1(78.3,17) 77.449,17 77.3,17.149 77.3,20.3 77.8,20.8 102.3,20.8 102.8,20.3 102.8,13 101.9,12.1 95.9,12.1 95.4,12.6 95.4,14.7 ; C58.1@93.6,14.7 95.4,14.7 ; v1(99.249,14.696) 99.245,14.7 95.4,14.7
USIM_DATA: C57.1 D18.1 J5.C7 R50.2 U1.15 | length 33.3
  Top Layer w0.254: D18.1@79.603,20.13 79.603,15.407 J5.C7@79.64,15.37 ; v1(95.6,15.9) 95.734,15.9 96.034,15.6 R50.2@97.2,15.6 98.9,15.6 99.3,16 U1.15@102.55,16
  Bottom Layer w0.254: v1(79.6,19) 87.317,19 87.417,19.1 95,19.1 95.6,18.5 v1(95.6,15.9) 97.9,15.9 C57.1@98,15.8
USIM_DET: D17.1 J5.CD R51.2 U1.13 | length 23.7
  Top Layer w0.254: D17.1@85.665,18.776 86.7,18.776 ; J5.CD@85.67,15.37 85.7,15.4 v1(86.7,15.4) ; v1(86.7,18.2) 86.7,18.776 ; U1.13@102.55,18.6 95.5,18.6 95.2,18.9 R51.2@95.2,20.475 93.075,20.475 91.376,18.776 86.7,18.776
  Bottom Layer w0.254: v1(86.7,15.4) v1(86.7,18.2)
USIM_RST: C59.1 D20.1 J5.C2 U1.17 | length 45
  Top Layer w0.254: D20.1@80.9,20.14 v1(80.9,17.997) 80.9,15.38 J5.C2@80.91,15.37
  Top Layer w0.635: v1(99.5,13.4) U1.17@102.55,13.4
  Bottom Layer w0.254: v1(80.9,17.997) 78.703,17.997 78.3,18.4 78.3,19.8 78.6,20.1 100.9,20.1 101.2,19.8 101.2,13.53 101.041,13.371 99.529,13.371 v1(99.5,13.4)
  Bottom Layer w0.635: C59.1@97.7,13.4 v1(99.5,13.4)
USIM_VDD: D21.1 J5.C1 R50.1 U1.14 | length 24
  Top Layer w0.254: D21.1@83.444,20.14 83.444,17.256 83.45,17.25 ; J5.C1@83.45,15.37 83.45,17.25 ; U1.14@102.55,17.3 97.3,17.3 R50.1@97.2,17.4 83.6,17.4 83.45,17.25
VBAT: BT1.2 U2.6 | length 128.1
  Top Layer w0.254: BT1.2@11,82.4 v1(13.5,82.4) ; v1(90.505,85.64) 90.556,85.589 v1(92.337,85.589) ; v1(115.2,82) 115.2,81.866 115.5,81.566 U2.6@115.5,69.3
  Bottom Layer w0.254: v1(13.5,82.4) 13.5,88.2 13.9,88.6 89.8,88.6 90.5,87.9 ; v1(90.505,85.64) 90.505,87.9 ; v1(92.337,85.589) 113.411,85.589 115.2,83.8 v1(115.2,82)
VBAT_BB: C46.2 C47.1 C48.2 C49.2 C50.1 C51.2 C52.1 C53.1 D1.1 D2.1 D3.1 D4.1 D15.1 F2.2 U1.57 U1.58 U1.59 U1.60 | length 102
  Top Layer w0.508: U1.60@124.35,38.95 124.35,42.25 v1(124.4,42.3) ; v1(125.6,42.3) 125.625,42.275 125.625,38.975 U1.59@125.65,38.95 ; v1(126.9,42.3) 126.925,42.275 126.925,38.975 U1.58@126.95,38.95 ; U1.57@128.25,38.95 128.225,38.975 128.225,42.275 v1(128.2,42.3) 128.2,49.2 128.8,49.8 v1(137.4,49.8) ; v1(140.6,49.8) 144,49.8 148.108,45.692 192.708,45.692 193.9,44.5 193.9,43.3 D4.1@194.1,43.1 ; v3(194.013,43.126) 194.013,39 D2.1@194.1,39 ; D1.1@194.1,34.9 194.175,34.9 v3(194.175,31.1) ; D1.1@194.1,35.1 194.1,38.942 v3(194.113,38.942)
  Bottom Layer w0.508: v1(137.4,49.8) v1(140.6,49.8)
  other v2: 62.4,43.5 63.433,43.5 64.467,43.5 65.5,43.5 66.533,43.5 67.567,43.5 68.6,43.5
  other v3: 194.113,34.999
VCC: C3.2 C5.1 C6.1 C7.1 C8.1 C9.1 C10.1 C17.2 C42.2 C43.2 C44.2 C60.1 C61.1 C63.1 C64.1 D16.1 D22.2 D23.2 FB1.1 J3.4 J6.5 L1.2 L4.2 P2.19 R13.1 R15.2 R19.2 R20.2 R23.2 R39.2 R46.2 U2.11 U2.19 U2.28 U2.50 U2.75 U2.100 U3.10 U3.11 U4.1 U5.1 U5.5 U6.8 U12.19 U12.20 U13.19 U13.20 | length 105.9
  Top Layer w0.254: v1(30.851,72.06) 30.861,72.05 D22.2@32.1,72.05 ; U12.19@34.05,79.665 U12.20@34.7,79.665 C61.1@34.7,77.1 36.974,77.1 C60.1@37,77.126 37.025,77.1 v1(38.5,77.1) ; v1(63.094,72.781) 63.125,72.75 D23.2@64.4,72.75 ; U13.19@66.05,79.665 U13.20@66.7,79.665 v1(66.7,78.7) ; P2.19@94.74,53.1 94.74,54.34 95.3,54.9 R15.2@101.985,54.9 ; v2(124.6,64.5) 124.6,63.074 FB1.1@124.674,63 ; C8.1@124.7,60.5 FB1.1@124.7,63 ; v1(133.325,5.137) 133.325,5.825 133.85,6.35 C3.2@137.6,6.35 137.75,6.5 L1.2@139.637,6.5 ; J3.4@143.3,89.3 v1(143.3,91.4) ; v1(182.767,73.883) 182.767,73.9 R19.2@184.1,73.9
  Top Layer w0.305: v1(104.441,86.296) 106.046,86.296 C5.1@106.1,86.35 106.1,85.679 106.279,85.5 111.5,85.5 111.965,85.035 112.996,85.035 113,85.031 U2.75@113,84.651 ; C10.1@108.3,68 110.6,68 111.3,68.7 U2.100@111.3,70.9 ; v1(116.265,96.727) 116.3,96.692 R23.2@116.3,95.3 ; v1(117.8,66.4) 117.8,66.9 118,67.1 U2.11@118,69.3 ; U2.19@122,69.3 122,67.569 v1(122.033,67.536) ; U2.28@126.675,71.975 128.11,71.975 128.686,71.4 v1(128.7,71.4) 128.75,71.35 129.8,71.35 C7.1@129.85,71.3 ; U2.50@126.675,82.975 132.621,82.975 132.8,83.154 132.8,84.3 132.875,84.375 132.875,85.775 v1(132.9,85.8) ; U6.8@126.9,97.9 126.916,97.916 126.916,100.391 C17.2@126.925,100.4 ; U4.1@162.955,78.25 162.977,78.227 162.977,76.522 v1(163,76.5) ; v1(182.1,80.5) U5.1@183.595,80.5 ; R20.2@182.9,76.8 182.9,78.3 183.6,79 U5.1@183.6,80.5 ; U5.5@187.405,85.9 189.029,85.9 v1(189.033,85.904)
  Top Layer w0.508: C63.1@66.7,76.725 69.075,76.725 C64.1@69.1,76.7 ; v1(69.091,77.999) 69.091,76.734 C64.1@69.1,76.725 ; v1(98,72.5) R13.1@98,73.9 ; v1(107.007,67.873) 107.134,68 C10.1@108.3,68
  Top Layer w0.635: v1(3.3,62.3) L4.2@5.8,62.3 5.8,64.502 5.985,64.686 R39.2@5.985,64.7 ; D16.1@3.8,67.7 C42.2@6,67.7 ; v1(4.684,64.702) 4.687,64.7 R39.2@5.985,64.7 ; v1(6,74.2) C44.2@6,72.3 C43.2@6,70 C42.2@6,67.7 ; R39.2@5.985,64.7 5.992,64.708 5.992,67.692 C42.2@6,67.7
  Bottom Layer w0.305: v1(117.8,66.4) 117.8,65.4 117.802,65.398 117.802,65.323 118.025,65.1 C9.1@118.1,65.1
  other v2: 126.9,99
VDD_EXT: C55.1 C56.1 R42.2 R44.2 R47.2 R51.1 U1.7 | length 19.6
  Top Layer w0.635: v1(98.9,29.5) U1.7@102.55,29.5
  Bottom Layer w0.635: v1(103.7,46.2) 103.713,46.187 105.288,46.187 C55.1@105.3,46.175 105.426,46.049 109.474,46.049 R44.2@109.6,45.924 109.6,43.572 109.972,43.2 R42.2@112.2,43.2 ; R47.2@122.3,47.676 122.476,47.501 125.524,47.501 C56.1@125.7,47.325 125.712,47.313 126.987,47.313 v1(127,47.3)
pads on no net: BT1. J3.1 J3.8 J3.13 J3.14 J3.CD1 J5. J5.C6 J7.4 U1.1 U1.2 U1.3 U1.4 U1.11 U1.12 U1.18 U1.23 U1.24 U1.25 U1.26 U1.27 U1.28 U1.29 U1.30 U1.31 U1.32 U1.33 U1.34 U1.35 U1.37 U1.38 U1.39 U1.40 U1.41 U1.42 U1.43 U1.44 U1.45 U1.55 U1.62 U1.63 U1.64 U1.65 U1.66 U1.69 U1.70 U1.71 U1.73 U1.74 U1.75 U1.77 U1.78 U1.79 U1.80 U1.81 U1.82 U1.83 U1.84 U1.113 U1.114 U1.115 U1.116 U1.117 U1.118 U1.119 U1.120 U1.121 U1.122 U1.123 U1.124 U1.125 U1.126 U1.127 U1.128 U1.129 U1.130 U1.131 U1.132 U1.133 U1.134 U1.135 U1.136 U1.137 U1.138 U1.139 U1.140 U1.141 U1.142 U1.143 U1.144 U2.17 U2.18 U3.9 U4.11 U4.14 U12.17 U13.17

## Polygon pours and split planes (outlines as drawn)
VBAT_BB on Top Layer "VBAT_BB_L01_P000" (solid, pour order 0): 59.8,13.4 59.8,31.7 61.9,31.7 61.9,44.1 69.1,44.1 69.1,13.4
VDD_EXT on Top Layer "VDD_EXT_L01_P002" (solid, pour order 2): 74.5,7.5 74.5,50.6 166,50.6 166,39.5 100.1,39.5 100.1,7.5
GND on Top Layer "GND_L01_P003" (solid, pour order 3): 3.159,3.282 196.959,3.282 196.959,101.982 3.159,101.982
VCC on Bottom Layer "VCC_L02_P004" (solid, pour order 4): 3.398,3.1 3.398,102.1 197.598,102.1 197.598,3.1
VBAT_BB on Bottom Layer "VBAT_BB_L02_P001" (solid, pour order 1): 61.9,44.1 61.9,36.3 132,36.3 132,44.1

## Other copper
Top Layer:
  rectangle net GSM_IN: 55.8,18.8 58.3,23.6
  rectangle net GSM_IN: 40.5,21.6 58.3,23.6
  rectangle net GSM_IN: 40.5,13.8 48.5,16.1
  rectangle net GSM_IN: 40.5,13.8 43.5,21.7

## Silkscreen, mask and mechanical layers (free items; w line width, h text height)
Mechanical 1:
  lines w0.5: -0.25,0 ccw(c0,0) 0,-0.25 ; -0.25,0 ccw(c0,0) 0,-0.25 ; -0.25,0 -0.25,105 ; -0.25,105 cw(c0,105) 0,105.25 ; -0.25,105 cw(c0,105) 0,105.25 ; 0,-0.25 200,-0.25 ; 0,105.25 200,105.25 ; 200,-0.25 ccw(c200,0) 200.25,0 ; 200,-0.25 ccw(c200,0) 200.25,0 ; 200,105.25 cw(c200,105) 200.25,105 ; 200,105.25 cw(c200,105) 200.25,105 ; 200.25,0 200.25,105 ; 0.25,0.25 0.25,104.75 199.75,104.75 199.75,0.25 0.25,0.25

## Text inside footprints (layer, text, board x,y; h text height)
BT1: Top Overlay "+" at 10.6,79.225 h1
J7: Bottom Designator "PCB EDGE" at 114.578,102.323 h0.3 r180
P1: Top Overlay "20" at 182.9,54 h1.27; Top Overlay "19" at 182.9,51.3 h1.27; Top Overlay "1" at 155.72,51.452 h1.27; Top Overlay "2" at 155.6,54 h1.27
U3: Top Overlay "GND" at 187.296,7.916 h1.52 r180; Top Overlay "GND" at 187.296,10.456 h1.52 r180; Top Overlay "MOSI" at 187.296,12.996 h1.52 r180; Top Overlay "SCLK" at 187.296,15.536 h1.52 r180; Top Overlay "CS" at 187.296,18.076 h1.52 r180; Top Overlay "INT" at 187.296,20.616 h1.52 r180; Top Overlay "GND" at 174.596,7.916 h1.52 r180; Top Overlay "3V3" at 174.596,10.456 h1.52 r180; Top Overlay "3V3" at 174.596,12.996 h1.52 r180; Top Overlay "N.C." at 174.596,15.536 h1.52 r180; Top Overlay "RESET" at 177.136,18.076 h1.52 r180; Top Overlay "MISO" at 175.866,20.616 h1.52 r180